# KiCad board PANEL7x5_ADS1293.kicad_pcb (continued)
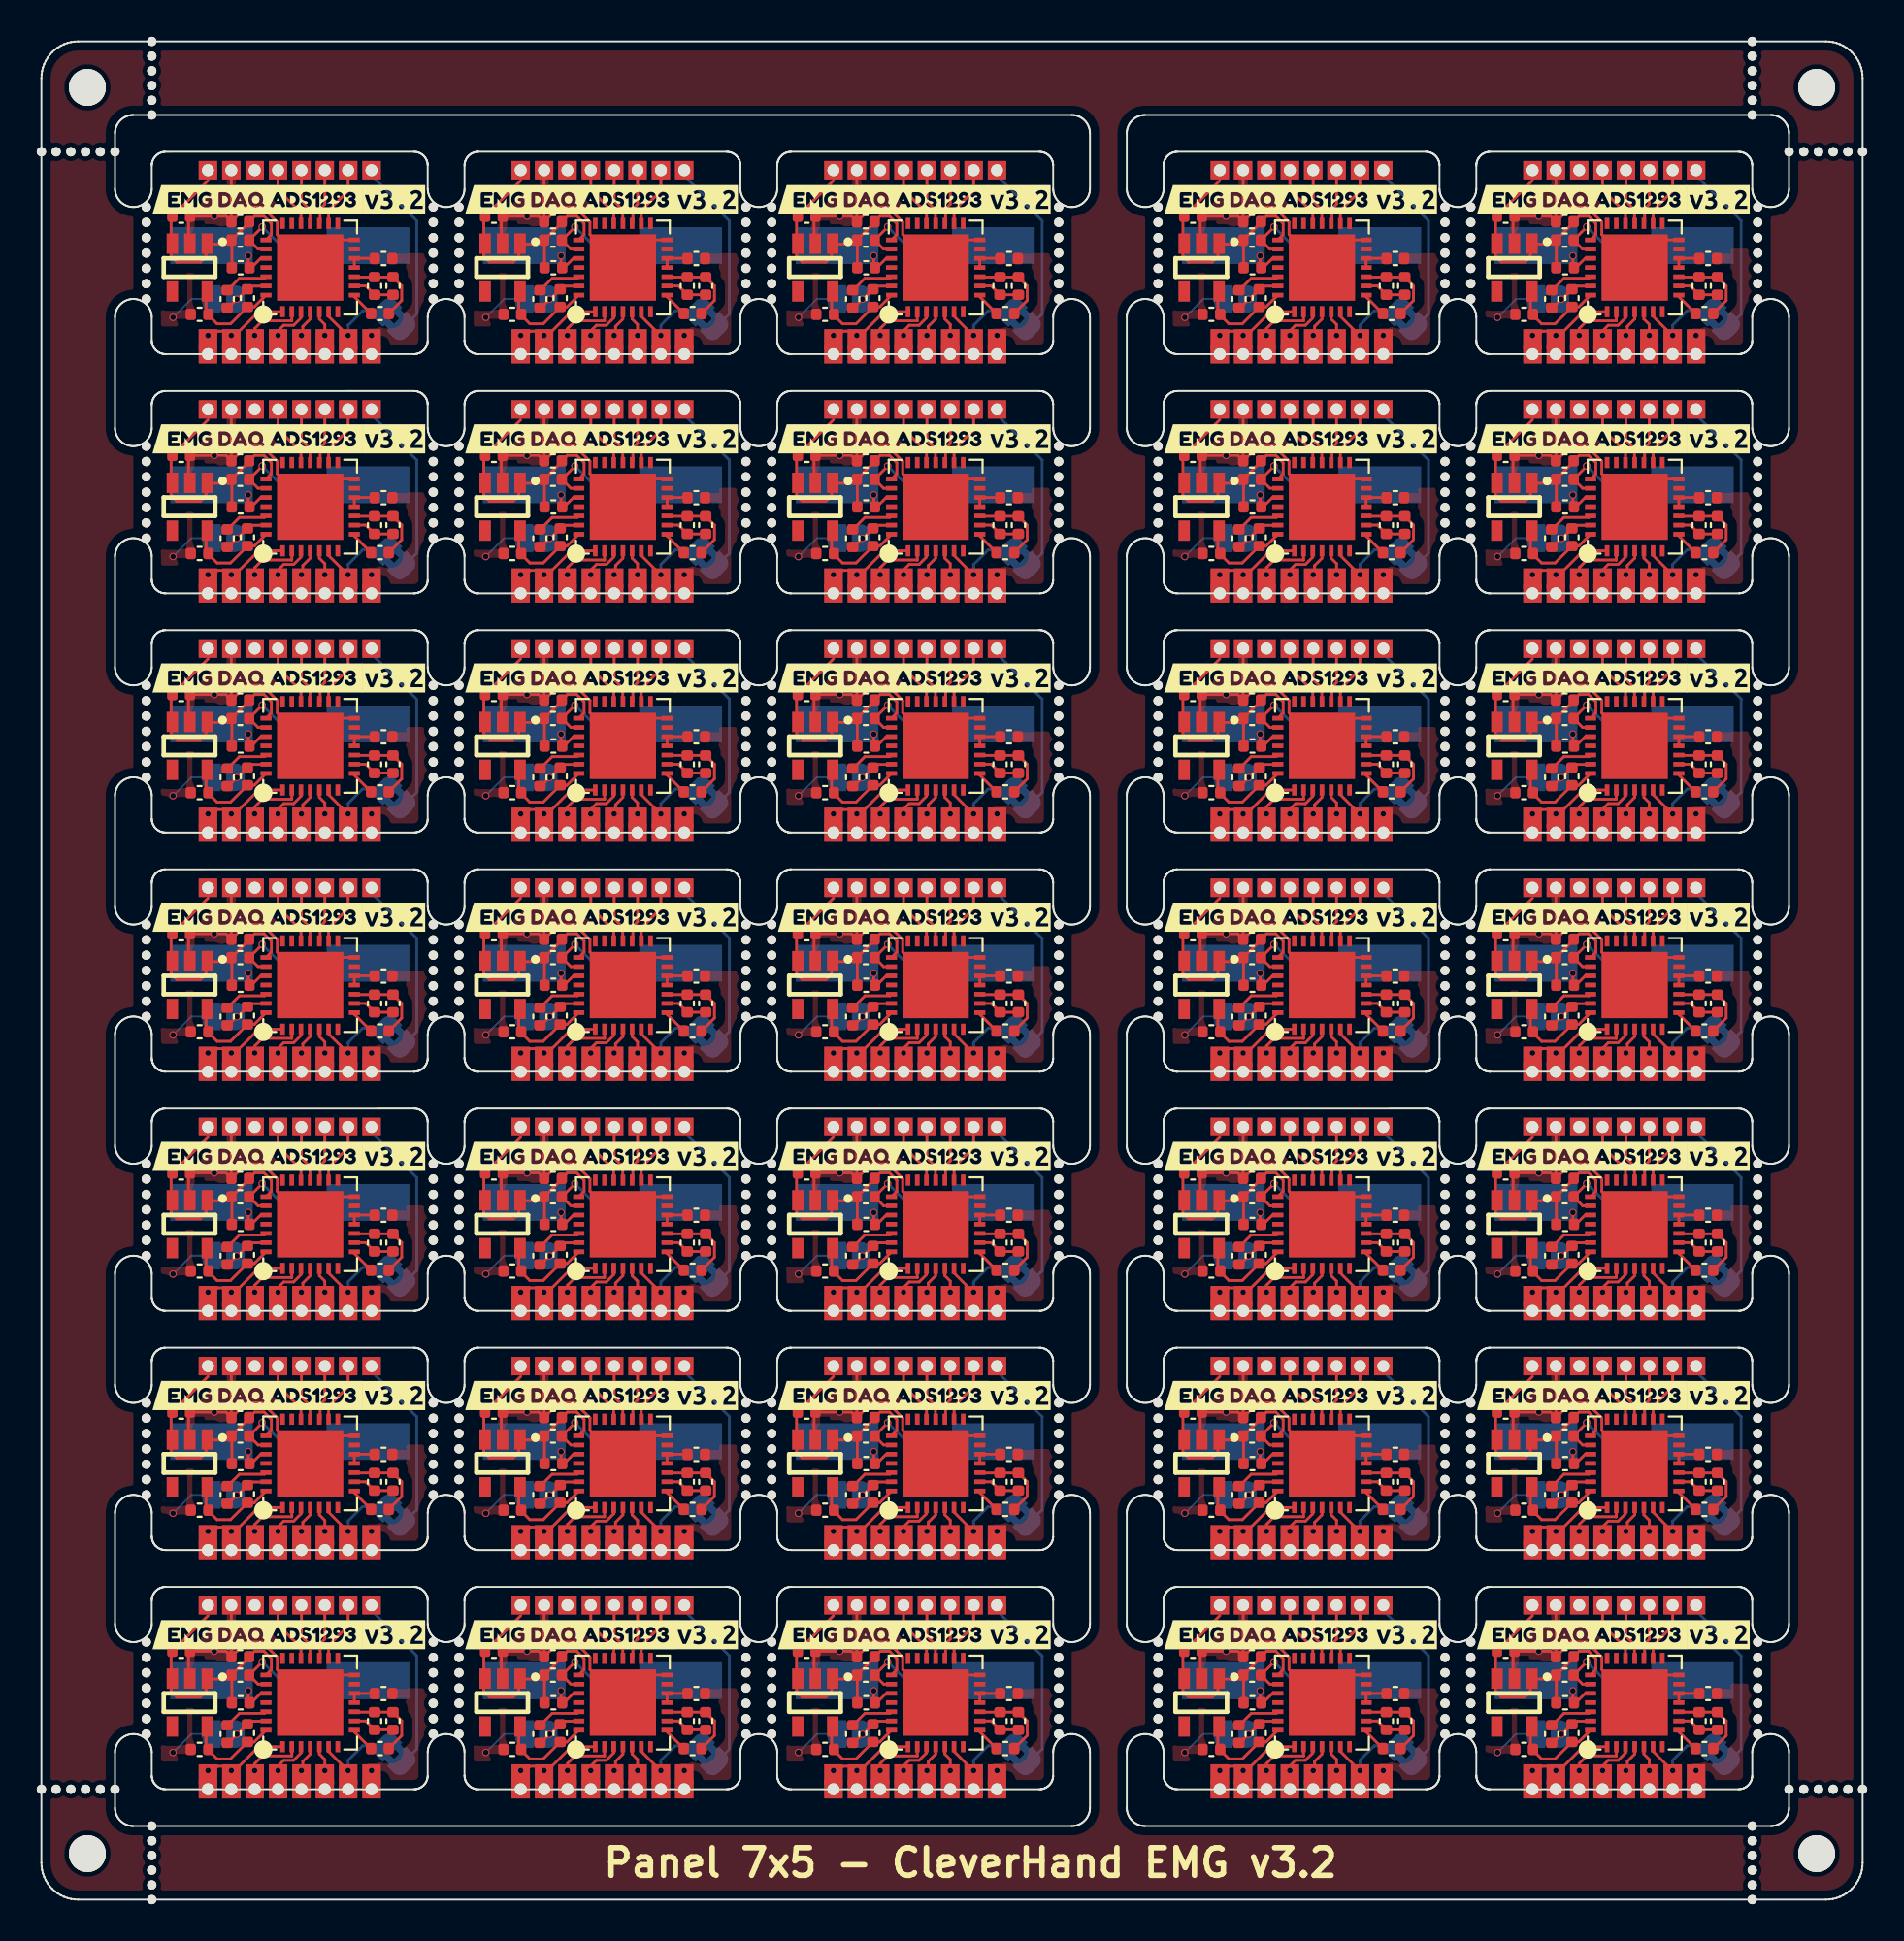
[diagram p0: board, top side]
## Routing (per net, layer and track width the routed paths; a pad name or vN(x,y) marks a point on that pad's centre or on a via; arc(x,y) is an arc through that point) (continued)
Board_34-+3.3VA: length 5.5
  Top w0.15: U1#32.28 83.57,8.57 C1#34.1 82.28,7.65 81.55,7.65 81.08,8.12 C8#2.1 80.95,8.3 80.95,9.61
Board_34-/CMOUT: length 1.4
  Top w0.15: U1#32.8 89.01,9.12 R1#8.2
Board_34-/CSB: length 3.3
  Top w0.15: J12#6.1 88.68,14.88 87.61,13.81 U1#32.16
Board_34-/cvref: length 2.4
  Top w0.15: U1#32.26 84.12,10.12 82.77,10.12 82.12,9.48 C2#21.1
Board_34-/extRef: length 9.5
  Bottom w0.15: 90.15,15.5 92.4,13.25 92.4,8.18 JP2#12.1 ; 90.15,16 J7#31.1
Board_34-/in1: length 6.5
  Top w0.15: 82.33,6.08 82.31,6.08 82.31,7 v1(82.33,7.02) 82.31,7.04 82.31,7.25 ; 81.06,6.73 J2#19.1 ; v1(81.06,7.02) 81.34,7.02 81.57,7.25 82.31,7.25 ; 82.31,7.25 82.75,7.25 83.81,8.31 U1#32.1
Board_34-/in2: length 4
  Top w0.15: 83.59,6.08 v1(83.59,7.02) 83.59,7.39 84.01,7.81 85.61,7.81 U1#32.2
Board_34-/in3: length 3.1
  Top w0.15: U1#32.3 86.11,7.97 85.71,7.57 85.17,7.57 84.87,7.27 v1(84.87,7.02) J5#28.1
Board_34-/in4: length 2.6
  Top w0.15: U1#32.4 86.61,7.91 86.21,7.51 86.21,7.09 v1(86.14,7.02) 86.21,6.94 86.21,6.08 J6#27.1 ; 86.11,6.11 86.14,6.09
Board_34-/in5: length 2.5
  Top w0.15: J8#28.1 v1(87.41,7.02) 87.41,7.62 87.11,7.91 U1#32.5 ; 87.32,6.09 87.41,6.09
Board_34-/in6: length 7.3
  Top w0.15: J15#6.1 88.68,6.99 87.61,8.06 U1#32.6
  Bottom w0.15: 90.55,7.9 90.74,8.09 JP2#12.2 89.46,8.36 88.68,7.58 v1(88.68,7.02) J15#6.1
Board_34-/PICO: length 3.1
  Top w0.15: J10#19.1 86.14,14.31 86.6,13.85 86.6,13.12 U1#32.18
Board_34-/POCI: length 3.4
  Top w0.15: J9#12.1 84.87,14.94 86.11,13.69 U1#32.19
Board_34-/RLDINV: length 4.6
  Top w0.15: R1#8.1 91.59,8.92 91.59,9.72 R2#25.1 C6#26.1 89.03,10.19 U1#32.10
Board_34-/RLDOUT: length 2.3
  Top w0.15: R2#25.2 C6#26.2 89.63,9.71 U1#32.9
Board_34-/RLDREF: length 1.6
  Top w0.15: C7#25.1 90.11,11.21 U1#32.12 U1#32.11
Board_34-/SCLK: length 2.5
  Top w0.15: U1#32.17 87.15,13.15 87.15,13.9 87.41,14.16 87.41,15.5
Board_34-GND: length 18.1
  Top w0.15: C5#25.2 82.03,13.5 C9#23.2 80,13.42 80,11.98 ; C5#25.2 82.33,13.21 82.33,15.5 ; C5#25.2 83.13,14 84,14 84.82,13.18 84.82,12.5 U1#32.29 88.11,12.21 U1#32.14
  Bottom w0.1: JP1#12.1 80.16,9 v1(79.16,8)
  vias: v1(81.4,13.5)
Board_34-GNDA: length 2.7
  Top w0.15: 82.67,8.95 v1(82.62,8.99) ; v1(82.62,8.99) 82.16,8.52 C2#21.2 ; v1(82.62,8.99) 82.66,8.99 C1#34.2 83.37,9.7 84.2,9.7 U1#32.27
  vias: v1(89.94,7.02)
Board_34-XTAL1: length 8.3
  Top w0.15: U1#32.23 83.78,11.71 C4#8.2 84,12.91 v1(84,12.92)
  Bottom w0.15: v1(84,12.92) 85.03,11.9 Y1#21.1
Board_34-XTAL2: length 4.2
  Top w0.15: v1(83.25,11.35) 83.25,10.66 83.31,10.6 83.92,11.21 U1#32.24
  Bottom w0.15: v1(83.25,11.35) 82.7,11.9 Y1#21.2

## Copper pours and planes (outline as drawn; the poured copper is in the pictures)
(no net) on Top: 0.53,1.71 0.57,1.56 0.61,1.43 0.68,1.29 0.75,1.17 0.84,1.05 0.94,0.94 1.05,0.84 1.17,0.75 1.29,0.68 1.43,0.61 1.56,0.57 1.71,0.53 1.85,0.51 2.02,0.5 96.98,0.5 97.15,0.51 97.29,0.53 97.43,0.57 97.57,0.61 97.71,0.68 97.83,0.75 97.95,0.84 98.06,0.94 98.16,1.05 98.25,1.17 98.32,1.29 98.38,1.43 98.43,1.56 98.47,1.71 98.49,1.85 98.5,2.02 98.5,98.98 98.49,99.15 98.47,99.29 98.43,99.44 98.38,99.57 98.32,99.71 98.25,99.83 98.16,99.95 98.06,100.06 97.95,100.16 97.83,100.25 97.71,100.32 97.57,100.39 97.43,100.43 97.29,100.47 97.15,100.49 96.98,100.5 2.02,100.5 1.85,100.49 1.71,100.47 1.56,100.43 1.43,100.39 1.29,100.32 1.17,100.25 1.05,100.16 0.94,100.06 0.84,99.95 0.75,99.83 0.68,99.71 0.61,99.57 0.57,99.44 0.53,99.29 0.51,99.15 0.5,98.98 0.5,2.02 0.51,1.85 ; 2 cut-outs
(no net) on Bottom: 0.53,1.71 0.57,1.56 0.61,1.43 0.68,1.29 0.75,1.17 0.84,1.05 0.94,0.94 1.05,0.84 1.17,0.75 1.29,0.68 1.43,0.61 1.56,0.57 1.71,0.53 1.85,0.51 2.02,0.5 96.98,0.5 97.15,0.51 97.29,0.53 97.43,0.57 97.57,0.61 97.71,0.68 97.83,0.75 97.95,0.84 98.06,0.94 98.16,1.05 98.25,1.17 98.32,1.29 98.38,1.43 98.43,1.56 98.47,1.71 98.49,1.85 98.5,2.02 98.5,98.98 98.49,99.15 98.47,99.29 98.43,99.44 98.38,99.57 98.32,99.71 98.25,99.83 98.16,99.95 98.06,100.06 97.95,100.16 97.83,100.25 97.71,100.32 97.57,100.39 97.43,100.43 97.29,100.47 97.15,100.49 96.98,100.5 2.02,100.5 1.85,100.49 1.71,100.47 1.56,100.43 1.43,100.39 1.29,100.32 1.17,100.25 1.05,100.16 0.94,100.06 0.84,99.95 0.75,99.83 0.68,99.71 0.61,99.57 0.57,99.44 0.53,99.29 0.51,99.15 0.5,98.98 0.5,2.02 0.51,1.85 ; 2 cut-outs
Board_0-GND on Top, Bottom, In1.Cu, In2.Cu: 6,95 21.56,95 21.56,90 14.05,90 14.05,89 9.55,89 9.55,85.5 6,85.5
Board_0-GNDA on Top, Bottom, In1.Cu, In2.Cu: 6.05,85.5 9.55,85.5 9.55,88.5 14.55,88.5 14.55,89.73 21.56,89.74 21.56,84 6.05,84
Board_1-GND on Top, Bottom, In1.Cu, In2.Cu: 23,95 38.55,95 38.55,90 31.06,90 31.06,89 26.56,89 26.56,85.5 23,85.5
Board_1-GNDA on Top, Bottom, In1.Cu, In2.Cu: 23.06,85.5 26.56,85.5 26.56,88.5 31.56,88.5 31.56,89.73 38.55,89.74 38.55,84 23.06,84
Board_2-GND on Top, Bottom, In1.Cu, In2.Cu: 40,95 55.55,95 55.55,90 48.05,90 48.05,89 43.55,89 43.55,85.5 40,85.5
Board_2-GNDA on Top, Bottom, In1.Cu, In2.Cu: 40.05,85.5 43.55,85.5 43.55,88.5 48.55,88.5 48.55,89.73 55.55,89.74 55.55,84 40.05,84
Board_3-GND on Top, Bottom, In1.Cu, In2.Cu: 61,95 76.56,95 76.56,90 69.06,90 69.06,89 64.56,89 64.56,85.5 61,85.5
Board_3-GNDA on Top, Bottom, In1.Cu, In2.Cu: 61.05,85.5 64.56,85.5 64.56,88.5 69.56,88.5 69.56,89.73 76.56,89.74 76.56,84 61.05,84
Board_4-GND on Top, Bottom, In1.Cu, In2.Cu: 78,95 93.56,95 93.56,90 86.06,90 86.06,89 81.56,89 81.56,85.5 78,85.5
Board_4-GNDA on Top, Bottom, In1.Cu, In2.Cu: 78.06,85.5 81.56,85.5 81.56,88.5 86.56,88.5 86.56,89.73 93.56,89.74 93.56,84 78.06,84
Board_5-GND on Top, Bottom, In1.Cu, In2.Cu: 6,82 21.56,82 21.56,77 14.05,77 14.05,76 9.55,76 9.55,72.5 6,72.5
Board_5-GNDA on Top, Bottom, In1.Cu, In2.Cu: 6.05,72.5 9.55,72.5 9.55,75.5 14.55,75.5 14.55,76.73 21.56,76.74 21.56,71 6.05,71
Board_6-GND on Top, Bottom, In1.Cu, In2.Cu: 23,82 38.55,82 38.55,77 31.06,77 31.06,76 26.56,76 26.56,72.5 23,72.5
Board_6-GNDA on Top, Bottom, In1.Cu, In2.Cu: 23.06,72.5 26.56,72.5 26.56,75.5 31.56,75.5 31.56,76.73 38.55,76.74 38.55,71 23.06,71
Board_7-GND on Top, Bottom, In1.Cu, In2.Cu: 40,82 55.55,82 55.55,77 48.05,77 48.05,76 43.55,76 43.55,72.5 40,72.5
Board_7-GNDA on Top, Bottom, In1.Cu, In2.Cu: 40.05,72.5 43.55,72.5 43.55,75.5 48.55,75.5 48.55,76.73 55.55,76.74 55.55,71 40.05,71
Board_8-GND on Top, Bottom, In1.Cu, In2.Cu: 61,82 76.56,82 76.56,77 69.06,77 69.06,76 64.56,76 64.56,72.5 61,72.5
Board_8-GNDA on Top, Bottom, In1.Cu, In2.Cu: 61.05,72.5 64.56,72.5 64.56,75.5 69.56,75.5 69.56,76.73 76.56,76.74 76.56,71 61.05,71
Board_9-GND on Top, Bottom, In1.Cu, In2.Cu: 78,82 93.56,82 93.56,77 86.06,77 86.06,76 81.56,76 81.56,72.5 78,72.5
Board_9-GNDA on Top, Bottom, In1.Cu, In2.Cu: 78.06,72.5 81.56,72.5 81.56,75.5 86.56,75.5 86.56,76.73 93.56,76.74 93.56,71 78.06,71
Board_10-GND on Top, Bottom, In1.Cu, In2.Cu: 6,69 21.56,69 21.56,64 14.05,64 14.05,63 9.55,63 9.55,59.5 6,59.5
Board_10-GNDA on Top, Bottom, In1.Cu, In2.Cu: 6.05,59.5 9.55,59.5 9.55,62.5 14.55,62.5 14.55,63.73 21.56,63.74 21.56,58 6.05,58
Board_11-GND on Top, Bottom, In1.Cu, In2.Cu: 23,69 38.55,69 38.55,64 31.06,64 31.06,63 26.56,63 26.56,59.5 23,59.5
Board_11-GNDA on Top, Bottom, In1.Cu, In2.Cu: 23.06,59.5 26.56,59.5 26.56,62.5 31.56,62.5 31.56,63.73 38.55,63.74 38.55,58 23.06,58
Board_12-GND on Top, Bottom, In1.Cu, In2.Cu: 40,69 55.55,69 55.55,64 48.05,64 48.05,63 43.55,63 43.55,59.5 40,59.5
Board_12-GNDA on Top, Bottom, In1.Cu, In2.Cu: 40.05,59.5 43.55,59.5 43.55,62.5 48.55,62.5 48.55,63.73 55.55,63.74 55.55,58 40.05,58
Board_13-GND on Top, Bottom, In1.Cu, In2.Cu: 61,69 76.56,69 76.56,64 69.06,64 69.06,63 64.56,63 64.56,59.5 61,59.5
Board_13-GNDA on Top, Bottom, In1.Cu, In2.Cu: 61.05,59.5 64.56,59.5 64.56,62.5 69.56,62.5 69.56,63.73 76.56,63.74 76.56,58 61.05,58
Board_14-GND on Top, Bottom, In1.Cu, In2.Cu: 78,69 93.56,69 93.56,64 86.06,64 86.06,63 81.56,63 81.56,59.5 78,59.5
Board_14-GNDA on Top, Bottom, In1.Cu, In2.Cu: 78.06,59.5 81.56,59.5 81.56,62.5 86.56,62.5 86.56,63.73 93.56,63.74 93.56,58 78.06,58
Board_15-GND on Top, Bottom, In1.Cu, In2.Cu: 6,56 21.56,56 21.56,51 14.05,51 14.05,50 9.55,50 9.55,46.5 6,46.5
Board_15-GNDA on Top, Bottom, In1.Cu, In2.Cu: 6.05,46.5 9.55,46.5 9.55,49.5 14.55,49.5 14.55,50.73 21.56,50.74 21.56,45 6.05,45
Board_16-GND on Top, Bottom, In1.Cu, In2.Cu: 23,56 38.55,56 38.55,51 31.06,51 31.06,50 26.56,50 26.56,46.5 23,46.5
Board_16-GNDA on Top, Bottom, In1.Cu, In2.Cu: 23.06,46.5 26.56,46.5 26.56,49.5 31.56,49.5 31.56,50.73 38.55,50.74 38.55,45 23.06,45
Board_17-GND on Top, Bottom, In1.Cu, In2.Cu: 40,56 55.55,56 55.55,51 48.05,51 48.05,50 43.55,50 43.55,46.5 40,46.5
Board_17-GNDA on Top, Bottom, In1.Cu, In2.Cu: 40.05,46.5 43.55,46.5 43.55,49.5 48.55,49.5 48.55,50.73 55.55,50.74 55.55,45 40.05,45
Board_18-GND on Top, Bottom, In1.Cu, In2.Cu: 61,56 76.56,56 76.56,51 69.06,51 69.06,50 64.56,50 64.56,46.5 61,46.5
Board_18-GNDA on Top, Bottom, In1.Cu, In2.Cu: 61.05,46.5 64.56,46.5 64.56,49.5 69.56,49.5 69.56,50.73 76.56,50.74 76.56,45 61.05,45
Board_19-GND on Top, Bottom, In1.Cu, In2.Cu: 78,56 93.56,56 93.56,51 86.06,51 86.06,50 81.56,50 81.56,46.5 78,46.5
Board_19-GNDA on Top, Bottom, In1.Cu, In2.Cu: 78.06,46.5 81.56,46.5 81.56,49.5 86.56,49.5 86.56,50.73 93.56,50.74 93.56,45 78.06,45
Board_20-GND on Top, Bottom, In1.Cu, In2.Cu: 6,43 21.56,43 21.56,38 14.05,38 14.05,37 9.55,37 9.55,33.5 6,33.5
Board_20-GNDA on Top, Bottom, In1.Cu, In2.Cu: 6.05,33.5 9.55,33.5 9.55,36.5 14.55,36.5 14.55,37.73 21.56,37.74 21.56,32 6.05,32
Board_21-GND on Top, Bottom, In1.Cu, In2.Cu: 23,43 38.55,43 38.55,38 31.06,38 31.06,37 26.56,37 26.56,33.5 23,33.5
Board_21-GNDA on Top, Bottom, In1.Cu, In2.Cu: 23.06,33.5 26.56,33.5 26.56,36.5 31.56,36.5 31.56,37.73 38.55,37.74 38.55,32 23.06,32
Board_22-GND on Top, Bottom, In1.Cu, In2.Cu: 40,43 55.55,43 55.55,38 48.05,38 48.05,37 43.55,37 43.55,33.5 40,33.5
Board_22-GNDA on Top, Bottom, In1.Cu, In2.Cu: 40.05,33.5 43.55,33.5 43.55,36.5 48.55,36.5 48.55,37.73 55.55,37.74 55.55,32 40.05,32
Board_23-GND on Top, Bottom, In1.Cu, In2.Cu: 61,43 76.56,43 76.56,38 69.06,38 69.06,37 64.56,37 64.56,33.5 61,33.5
Board_23-GNDA on Top, Bottom, In1.Cu, In2.Cu: 61.05,33.5 64.56,33.5 64.56,36.5 69.56,36.5 69.56,37.73 76.56,37.74 76.56,32 61.05,32
Board_24-GND on Top, Bottom, In1.Cu, In2.Cu: 78,43 93.56,43 93.56,38 86.06,38 86.06,37 81.56,37 81.56,33.5 78,33.5
Board_24-GNDA on Top, Bottom, In1.Cu, In2.Cu: 78.06,33.5 81.56,33.5 81.56,36.5 86.56,36.5 86.56,37.73 93.56,37.74 93.56,32 78.06,32
Board_25-GND on Top, Bottom, In1.Cu, In2.Cu: 6,30 21.56,30 21.56,25 14.05,25 14.05,24 9.55,24 9.55,20.5 6,20.5
Board_25-GNDA on Top, Bottom, In1.Cu, In2.Cu: 6.05,20.5 9.55,20.5 9.55,23.5 14.55,23.5 14.55,24.73 21.56,24.74 21.56,19 6.05,19
Board_26-GND on Top, Bottom, In1.Cu, In2.Cu: 23,30 38.55,30 38.55,25 31.06,25 31.06,24 26.56,24 26.56,20.5 23,20.5
Board_26-GNDA on Top, Bottom, In1.Cu, In2.Cu: 23.06,20.5 26.56,20.5 26.56,23.5 31.56,23.5 31.56,24.73 38.55,24.74 38.55,19 23.06,19
Board_27-GND on Top, Bottom, In1.Cu, In2.Cu: 40,30 55.55,30 55.55,25 48.05,25 48.05,24 43.55,24 43.55,20.5 40,20.5
Board_27-GNDA on Top, Bottom, In1.Cu, In2.Cu: 40.05,20.5 43.55,20.5 43.55,23.5 48.55,23.5 48.55,24.73 55.55,24.74 55.55,19 40.05,19
Board_28-GND on Top, Bottom, In1.Cu, In2.Cu: 61,30 76.56,30 76.56,25 69.06,25 69.06,24 64.56,24 64.56,20.5 61,20.5
Board_28-GNDA on Top, Bottom, In1.Cu, In2.Cu: 61.05,20.5 64.56,20.5 64.56,23.5 69.56,23.5 69.56,24.73 76.56,24.74 76.56,19 61.05,19
Board_29-GND on Top, Bottom, In1.Cu, In2.Cu: 78,30 93.56,30 93.56,25 86.06,25 86.06,24 81.56,24 81.56,20.5 78,20.5
Board_29-GNDA on Top, Bottom, In1.Cu, In2.Cu: 78.06,20.5 81.56,20.5 81.56,23.5 86.56,23.5 86.56,24.73 93.56,24.74 93.56,19 78.06,19
Board_30-GND on Top, Bottom, In1.Cu, In2.Cu: 6,17 21.56,17 21.56,12 14.05,12 14.05,11 9.55,11 9.55,7.5 6,7.5
Board_30-GNDA on Top, Bottom, In1.Cu, In2.Cu: 6.05,7.5 9.55,7.5 9.55,10.5 14.55,10.5 14.55,11.73 21.56,11.74 21.56,6 6.05,6
Board_31-GND on Top, Bottom, In1.Cu, In2.Cu: 23,17 38.55,17 38.55,12 31.06,12 31.06,11 26.56,11 26.56,7.5 23,7.5
Board_31-GNDA on Top, Bottom, In1.Cu, In2.Cu: 23.06,7.5 26.56,7.5 26.56,10.5 31.56,10.5 31.56,11.73 38.55,11.74 38.55,6 23.06,6
Board_32-GND on Top, Bottom, In1.Cu, In2.Cu: 40,17 55.55,17 55.55,12 48.05,12 48.05,11 43.55,11 43.55,7.5 40,7.5
Board_32-GNDA on Top, Bottom, In1.Cu, In2.Cu: 40.05,7.5 43.55,7.5 43.55,10.5 48.55,10.5 48.55,11.73 55.55,11.74 55.55,6 40.05,6
Board_33-GND on Top, Bottom, In1.Cu, In2.Cu: 61,17 76.56,17 76.56,12 69.06,12 69.06,11 64.56,11 64.56,7.5 61,7.5
Board_33-GNDA on Top, Bottom, In1.Cu, In2.Cu: 61.05,7.5 64.56,7.5 64.56,10.5 69.56,10.5 69.56,11.73 76.56,11.74 76.56,6 61.05,6
Board_34-GND on Top, Bottom, In1.Cu, In2.Cu: 78,17 93.56,17 93.56,12 86.06,12 86.06,11 81.56,11 81.56,7.5 78,7.5
Board_34-GNDA on Top, Bottom, In1.Cu, In2.Cu: 78.06,7.5 81.56,7.5 81.56,10.5 86.56,10.5 86.56,11.73 93.56,11.74 93.56,6 78.06,6

Small or netless copper shapes (teardrops, artwork), in the pictures only: 21 on Top, 21 on Bottom

## Text on the board
B.Silkscreen: by Aightech
F.Silkscreen: Panel 7x5 - CleverHand EMG v3.2
